# Altium PCB PCB2LYW.PcbDoc
Units mm, origin at the board's own origin, x right, y up, seen from the top; angles counter-clockwise.
Board outline 53.97 x 27.94 mm, 2 copper layers (Top Layer, Bottom Layer); 11 components, 11 nets, 38 pads, 0 vias.
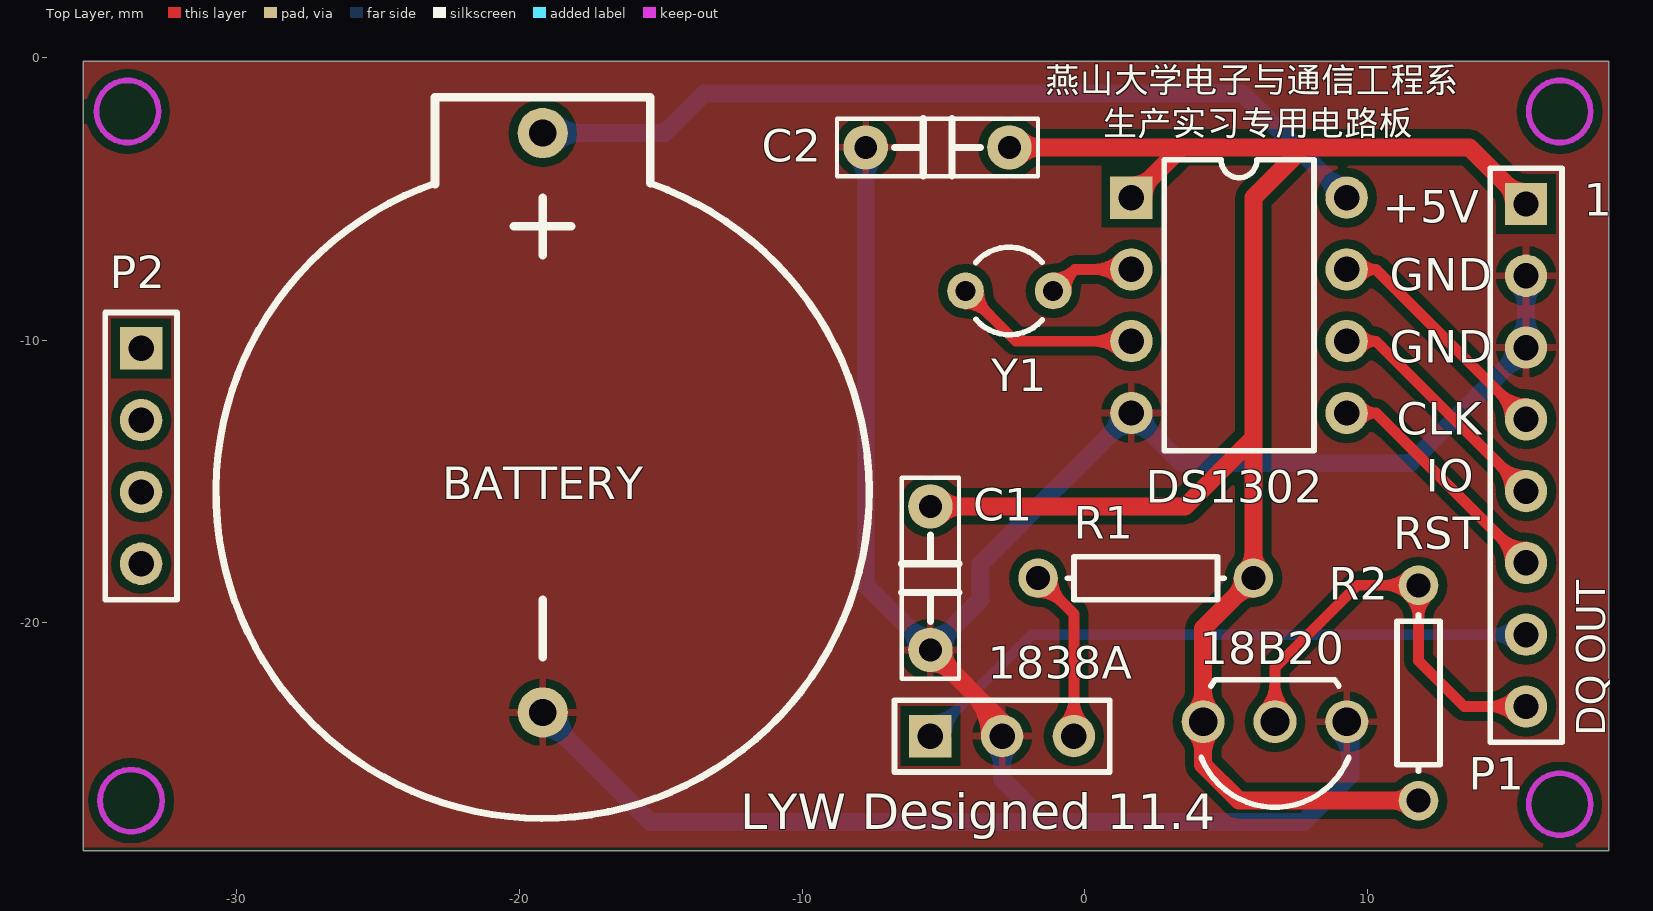
[diagram p0: Top Layer view]
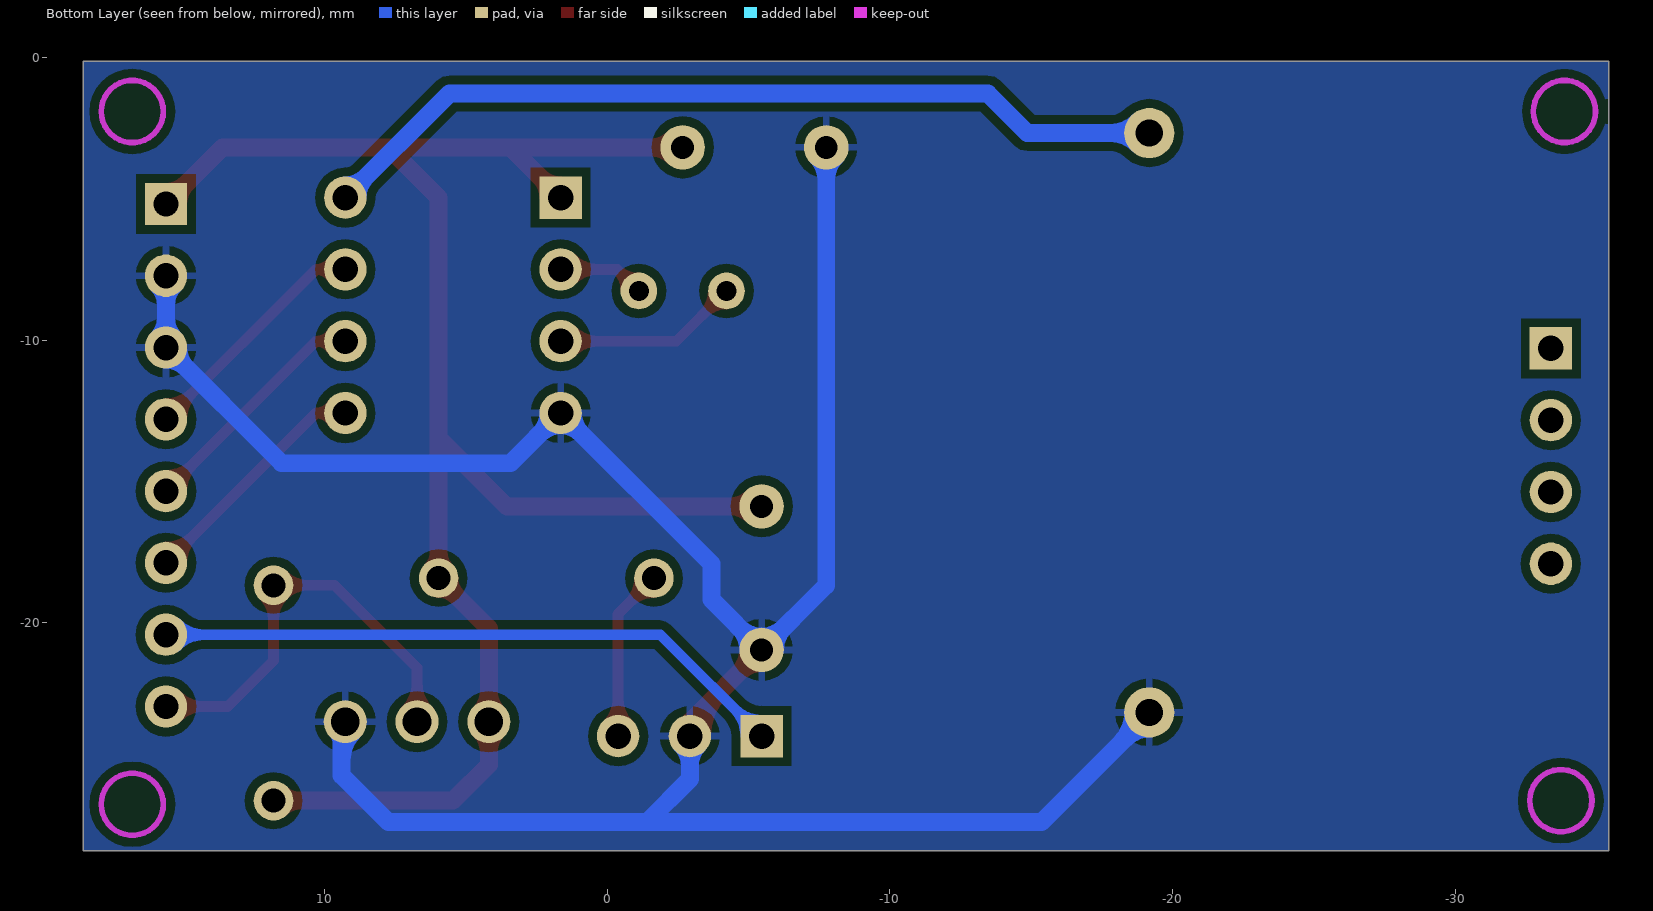
[diagram p1: Bottom Layer view, seen from below]

## Layer stack, top to bottom
Top Layer: signal copper 0.0356
Dielectric: dielectric 0.32, FR-4, Dk 4.8
Bottom Layer: signal copper 0.0356

## Board outline
-35.433,-28.067 18.542,-28.067 18.542,-0.127 -35.433,-0.127

## Design rules (kind name [scope] priority, off if disabled: settings)
Clearance [All] p1: gap=0.305
ComponentClearance [All] p1 off: gap=0.254 collisioncheckmode=3 verticalgap=0.254 showdistances=FALSE
PolygonConnect [All] p1: connectstyle=Relief reliefconductorwidth=0.254 reliefentries=4 polygonreliefangle="90 Angle"
RoomDefinition SHEET1 [InComponentClass('SHEET1')] p1 off: confinementstyle=ConfineIn formatcopy=TRUE lockcomponents=FALSE outline 21.971,-26.035 30.861,-26.035 30.861,-19.685 21.971,-19.685
RoutingVias [All] p1: holewidth=0.406 width=0.762 viastyle="Through Hole" minholewidth=0.406 minwidth=0.762 maxholewidth=0.711 maxwidth=1.27
SilkscreenOverComponentPads [All] p1: minsilkscreentomaskgap=0.025
SolderMaskExpansion [All] p1: expansion=0.102
TestPointUsage FabricationTestPointUsage [All] p1: valid=0 allowmultiple=FALSE
Testpoint FabricationTestpoint [All] p1: side=3 testpointundercomponent=TRUE minsize=1.016 maxsize=2.54 preferedsize=1.524 minholesize=0 maxholesize=1.016 preferedholesize=0.813 testpointgrid=0.025 style=297 order=0-112345678
Width Width_1 [InNet('GND')] p1: maxlimit=0.635 minlimit=0.254 preferedwidth=0.635
Width [All] p2: maxlimit=1.27 minlimit=0.381 preferedwidth=0.381
22 further rules are at their usual default settings.

## Components (designator, comment, footprint, x,y, rotation, side; value= is the part's Value field where it differs from the comment)
18B20 "DALLAS IC" TO92C 9.271,-23.495 r270 top (schematic designator DS18B20)
1838A "TL1838A" DIP3_HT -5.461,-24.003 r0 top (schematic designator TL1838A)
BATTERY "3.6V" POW1_HT -19.177,-12.827 r90 top (schematic designator battery)
C1 "CAP" CAP2A_DQ -5.461,-15.875 r270 top
C2 "CAP" CAP2A_DQ -2.667,-3.175 r180 top
DS1302 "DS1302N" DIP8 5.461,-8.763 r270 top
P1 "Header 8" HDR1X8 15.615,-5.177 r270 top
P2 "Header 4" HDR1X4 -33.385,-10.287 r270 top
R1 "Resister" AXIAL-0.3 2.159,-18.415 r180 top
R2 "Resister" AXIAL-0.3 11.811,-22.479 r270 top
Y1 "32.768KHz" BCY-W2/D3.1 -2.667,-8.255 r270 top

## Footprints (in the part's own frame and the unit in brackets; to place one, negate y for a bottom-side part, rotate by r counter-clockwise, add the part's x,y. Pads: shape width x height; smd on the part's side, far side on the other; paste and mask are expansions set on the pad)
AXIAL-0.3 [mm] "Axial Device, Thru-Hole; 2 Leads; 0.3 in Pin Spacing"
  round 1.4 hole 0.85: 1(-3.81,0) 2(3.81,0)
  silkscreen extent -2.77,-0.76 2.77,0.76
BCY-W2/D3.1 [mm] "Crystal, Thru-Hole; 2 Leads; Body 3.1 x 8.2 mm (Dia.xH)"
  round 1.3 hole 0.7: 1(0,1.55) 2(0,-1.55)
  silkscreen extent -1.55,-1.19 1.55,1.17
CAP2A_DQ [mil]
  round 62 hole 32: 1(0,0) 2(200,0)
  silkscreen extent -40,-40 240,40
DIP3_HT [mm]
  rect 1.5x1.5 hole 0.9: 1(0,0)
  round 1.5 hole 0.9: 2(2.54,0) 3(5.08,0)
  silkscreen extent -1.27,-1.27 6.35,1.27
DIP8 [mm] "DIP; 8 Leads; Row Spacing 7.62 mm; Pitch 2.54 mm"
  rect 1.5x1.5 hole 0.9: 1(-3.81,-3.81)
  round 1.5 hole 0.9: 2(-1.27,-3.81) 3(1.27,-3.81) 4(3.81,-3.81) 5(3.81,3.81) 6(1.27,3.81) 7(-1.27,3.81) 8(-3.81,3.81)
  silkscreen extent -5.15,-2.65 5.15,2.65
HDR1X4 [mm] "Connector; Header; 4 Position"
  rect 1.5x1.5 hole 0.9: 1(0,0)
  round 1.5 hole 0.9: 2(2.54,0) 3(5.08,0) 4(7.62,0)
  silkscreen extent -1.27,-1.27 8.89,1.27
HDR1X8 [mm] "Connector; Header; 8 Position"
  rect 1.5x1.5 hole 0.9: 1(0,0)
  round 1.5 hole 0.9: 2(2.54,0) 3(5.08,0) 4(7.62,0) 5(10.16,0) 6(12.7,0) 7(15.24,0) 8(17.78,0)
  silkscreen extent -1.27,-1.27 19.05,1.27
POW1_HT [mil]
  round 70 hole 38: 1(400,0) 2(-407.09,0)
  silkscreen extent -555,-455 450,455
TO92C [mil]
  round 60 hole 40: 1(0,0) 2(0,-100) 3(0,-200)
  silkscreen extent -58,-203 119,3

## Part data
18B20: library part DS18B20
BATTERY: library part BATTERY
C1 C2: library part CAP0805, "CAP with C0805 footprint"
DS1302: "Trickle Charge Timekeeping Chip"
P1: "Header, 8-Pin"
P2: "支撑作用"
R1 R2: "Resister with c0805 footprint"
Y1: library part 12MHZ, "Crystal Oscillator"

## Nets (pads, with @x,y where several pads share a name; then routed paths per layer and width w, separated by ;. In a path a pad name is that pad's centre, name@x,y a point inside that pad or via, vN(x,y) a via of type N, cw(c..) or ccw(c..) an arc to the next point about the centre after c; other vN are vias at no path point)
DQ: 18B20.2 P1.8 R2.1 | length 24
  Top Layer w0.381: 18B20.2@6.327,-23.091 ccw(c5.351,-22.115) 6.731,-22.115 ccw(c8.111,-22.115) 18B20.2@7.135,-23.091 ; 18B20.2 6.731,-21.59 9.652,-18.669 R2.1 11.811,-21.336 13.432,-22.957 P1.8 P1.8@15.615,-22.473 ; R2.1@11.451,-18.309 cw(c10.581,-17.439) 10.581,-18.669 cw(c10.581,-19.899) 11.451,-19.029 cw(c10.581,-19.899) 11.811,-19.899 cw(c13.041,-19.899) R2.1@12.171,-19.029 ; P1.8@15.219,-23.353 ccw(c14.264,-24.308) 14.264,-22.957 ccw(c14.264,-21.606) P1.8@15.219,-22.561
GND: 18B20.1 1838A.2 BATTERY.2 C1.2 C2.2 DS1302.4 P1.2 P1.3 | length 112.2
  Top Layer w0.635: C1.2@-5.461,-21.425 cw(c-5.461,-22.559) -4.659,-21.757 cw(c-3.857,-20.955) C1.2@-4.991,-20.955 ; C1.2 -2.921,-23.495 1838A.2 ; -4.019,-22.397 cw(c-5.624,-24.003) 1838A.2@-3.353,-24.003
  Bottom Layer w0.635: BATTERY.2@-19.177,-23.738 cw(c-19.177,-24.94) -18.328,-24.09 ; BATTERY.2@-19.177,-23.241 -15.367,-27.051 -1.397,-27.051 ; BATTERY.2@-18.605,-23.167 ccw(c-17.047,-23.167) -18.149,-24.269 ; C2.2@-8.079,-3.507 cw(c-8.881,-4.309) -7.747,-4.309 cw(c-6.613,-4.309) C2.2@-7.415,-3.507 ; C2.2 -7.747,-18.669 C1.2 -3.683,-19.177 -3.683,-17.907 DS1302.4 3.429,-14.351 11.521,-14.351 P1.3 ; C1.2@-5.931,-20.955 ccw(c-7.065,-20.955) -6.263,-20.153 ccw(c-5.461,-19.351) -5.461,-20.485 ccw(c-5.461,-19.351) -4.659,-20.153 ccw(c-3.857,-20.955) C1.2@-4.991,-20.955 ; 1838A.2@-3.227,-24.309 cw(c-3.965,-25.047) -2.921,-25.047 cw(c-1.877,-25.047) 1838A.2@-2.615,-24.309 ; 1838A.2 -2.921,-25.527 -1.397,-27.051 ; DS1302.4@1.219,-12.573 cw(c0.174,-12.573) 0.913,-13.311 cw(c1.651,-14.05) 1.651,-13.005 cw(c1.651,-14.05) 2.389,-13.311 cw(c3.128,-12.573) DS1302.4@2.083,-12.573 ; 7.62,-27.051 -1.397,-27.051 ; 7.747,-27.051 9.398,-25.4 18B20.1@9.398,-23.495 ; 18B20.1@8.957,-23.809 cw(c7.891,-24.875) 9.398,-24.875 ; 9.398,-24.262 cw(c10.038,-24.262) 18B20.1@9.585,-23.809 ; P1.3@15.182,-10.257 cw(c14.138,-10.257) 14.877,-10.995 cw(c15.615,-11.734) P1.3@15.615,-10.689 ; P1.3@15.309,-9.951 ccw(c14.571,-9.213) 15.615,-9.213 ccw(c16.659,-9.213) P1.3@15.921,-9.951 ; P1.2@15.309,-8.023 cw(c14.571,-8.761) 15.615,-8.761 cw(c16.659,-8.761) P1.2@15.921,-8.023 ; P1.2 P1.3 ; P1.3@15.748,-10.414 15.615,-10.281 P1.3
MCUIO: DS1302.6 P1.5 | length 12
  Top Layer w0.381: DS1302.6 10.311,-10.033 ; DS1302.6@9.738,-10.341 cw(c10.311,-10.72) 10.311,-10.033 ; DS1302.6@9.738,-9.725 ccw(c10.311,-9.346) 10.311,-10.033 ; P1.5@15.055,-15.337 ccw(c13.705,-15.337) 14.66,-14.382 ccw(c15.615,-13.427) P1.5@15.615,-14.778 ; P1.5 10.311,-10.033
NetR1_2: 1838A.3 R1.2 | length 10.2
  Top Layer w0.381: R1.2@-1.651,-18.924 cw(c-1.651,-20.155) -0.781,-19.285 cw(c0.089,-18.415) R1.2@-1.142,-18.415 ; R1.2 -0.381,-19.685 1838A.3 ; 1838A.3@-0.777,-23.607 ccw(c-1.732,-22.652) -0.381,-22.652 ccw(c0.97,-22.652) 1838A.3@0.015,-23.607
OUT: 1838A.1 P1.7 | length 26.8
  Bottom Layer w0.381: 1838A.1 -1.875,-20.417 -0.635,-20.417 P1.7 ; 1838A.1@-5.461,-23.444 ccw(c-5.461,-22.093) -4.506,-23.048 ccw(c-3.551,-24.003) 1838A.1@-4.902,-24.003 ; P1.7@15.219,-20.813 ccw(c14.264,-21.768) 14.264,-20.417 ccw(c14.264,-19.066) P1.7@15.219,-20.021
RST: DS1302.5 P1.6 | length 12
  Top Layer w0.381: DS1302.5 10.311,-12.573 ; DS1302.5@9.738,-12.881 cw(c10.311,-13.26) 10.311,-12.573 ; DS1302.5@9.738,-12.265 ccw(c10.311,-11.886) 10.311,-12.573 ; P1.6@15.055,-17.877 ccw(c13.705,-17.877) 14.66,-16.922 ccw(c15.615,-15.967) P1.6@15.615,-17.318 ; P1.6 10.311,-12.573
SCLK: DS1302.7 P1.4 | length 12
  Top Layer w0.381: DS1302.7 10.311,-7.493 ; DS1302.7@9.738,-7.801 cw(c10.311,-8.18) 10.311,-7.493 ; DS1302.7@9.738,-7.185 ccw(c10.311,-6.806) 10.311,-7.493 ; P1.4@15.055,-12.797 ccw(c13.705,-12.797) 14.66,-11.842 ccw(c15.615,-10.887) P1.4@15.615,-12.238 ; P1.4 10.311,-7.493
  Bottom Layer w0.305: P1.4@15.603,-12.809 P1.4@15.621,-12.827
VCC: 18B20.3 C1.1 C2.1 DS1302.1 P1.1 R1.1 R2.2 | length 80.5
  Top Layer w0.635: C1.1 3.556,-15.875 5.969,-13.462 ; C1.1@-5.129,-16.207 cw(c-4.327,-17.009) -4.327,-15.875 cw(c-4.327,-14.741) C1.1@-5.129,-15.543 ; C2.1 3.429,-3.175 ; C2.1@-2.335,-3.507 cw(c-1.533,-4.309) -1.533,-3.175 cw(c-1.533,-2.041) C2.1@-2.335,-2.843 ; DS1302.1 3.429,-3.175 ; DS1302.1@1.651,-4.521 ccw(c1.651,-3.476) 2.389,-4.215 ccw(c3.128,-4.953) DS1302.1@2.083,-4.953 ; 18B20.3@3.877,-23.809 cw(c3.118,-24.568) 4.191,-24.568 cw(c5.264,-24.568) 18B20.3@4.505,-23.809 ; 18B20.3@3.877,-23.181 ccw(c3.118,-22.422) 4.191,-22.422 ccw(c5.264,-22.422) 18B20.3@4.505,-23.181 ; R1.1@5.587,-18.415 cw(c4.663,-18.415) 5.316,-19.068 cw(c5.969,-19.721) R1.1@5.969,-18.797 ; R1.1@5.699,-18.145 ccw(c5.046,-17.492) 5.969,-17.492 ccw(c6.892,-17.492) R1.1@6.239,-18.145 ; R2.2@11.541,-26.559 ccw(c10.888,-27.212) 10.888,-26.289 ccw(c10.888,-25.366) R2.2@11.541,-26.019 ; R2.2 5.461,-26.289 4.191,-25.019 18B20.3 4.191,-20.193 R1.1 5.969,-13.462 ; P1.1@15.182,-5.177 ccw(c14.138,-5.177) 14.877,-4.439 ccw(c15.615,-3.7) P1.1@15.615,-4.745 ; P1.1 13.613,-3.175 7.747,-3.175 ; 3.429,-3.175 7.747,-3.175 ; 5.969,-13.462 5.969,-4.953 7.747,-3.175
  Bottom Layer w0.635: C2.1 C2.1@-2.54,-3.048 ; R1.1 R1.1@6.223,-18.415
VCCBK: BATTERY.1 DS1302.8 | length 34.4
  Bottom Layer w0.635: BATTERY.1 -14.859,-2.667 -13.462,-1.27 5.588,-1.27 DS1302.8 ; BATTERY.1@-18.773,-3.071 cw(c-17.797,-4.047) -17.797,-2.667 cw(c-17.797,-1.287) BATTERY.1@-18.773,-2.263 ; DS1302.8@8.839,-4.953 ccw(c7.794,-4.953) 8.533,-4.215 ccw(c9.271,-3.476) DS1302.8@9.271,-4.521
X1: DS1302.2 Y1.1 | length 6.9
  Top Layer w0.381: Y1.1 -0.355,-7.493 ; Y1.1@-1.107,-7.796 ccw(c-1.086,-6.762) -0.355,-7.493 ; Y1.1@-0.658,-8.245 cw(c0.376,-8.224) -0.355,-7.493 ; DS1302.2@1.255,-7.889 ccw(c0.3,-8.844) 0.3,-7.493 ccw(c0.3,-6.142) DS1302.2@1.255,-7.097 ; DS1302.2 -0.355,-7.493
X2: DS1302.3 Y1.2 | length 10.6
  Top Layer w0.381: Y1.2@-4.217,-8.714 cw(c-4.217,-9.824) -3.433,-9.039 cw(c-2.648,-8.255) Y1.2@-3.757,-8.255 ; Y1.2 -2.439,-10.033 DS1302.3 ; DS1302.3@1.255,-10.429 ccw(c0.3,-11.384) 0.3,-10.033 ccw(c0.3,-8.682) DS1302.3@1.255,-9.637
  Bottom Layer w0.381: Y1.2@-4.217,-8.356 Y1.2
pads on no net: P2.1 P2.2 P2.3 P2.4

## Polygon pours and split planes (outlines as drawn)
GND on Top Layer "Top Layer-No Net" (solid, remove dead copper, pour order 1000): -35.433,-0.127 -35.433,-27.94 18.542,-27.94 18.542,-0.127
GND on Bottom Layer "Top Layer-No Net" (solid, remove dead copper, pour order 1001): -35.433,-0.127 -35.433,-28.067 18.542,-28.067 18.542,-0.127

## Keep-outs
Keep-Out Layer:
  circle w0.2: c-33.866,-1.905 r1.1
  circle w0.2: c-33.739,-26.289 r1.1
  circle w0.2: c16.807,-26.416 r1.1
  circle w0.2: c16.807,-1.905 r1.1

## Silkscreen, mask and mechanical layers (free items; w line width, h text height)
Top Overlay:
  text "燕山大学电子与通信工程系" at -1.397,-1.524 h1.52
  text "生产实习专用电路板" at 0.635,-3.048 h1.52
  text "1" at 17.653,-5.588 h1.14
  text "+5V" at 10.541,-5.842 h1.14
  text "GND" at 10.795,-8.255 h1.14
  text "GND" at 10.795,-10.795 h1.14
  text "CLK" at 11.049,-13.335 h1.14
  text "IO" at 12.065,-15.367 h1.14
  text "RST" at 10.922,-17.399 h1.14
  text "OUT" at 18.415,-21.463 h1.02 r90
  text "DQ" at 18.415,-24.003 h1.02 r90
  text "LYW Designed 11.4" at -12.192,-27.305 h1.27
Mechanical 1:
  lines w0.254: -35.56,-28.067 18.669,-28.067 18.669,-0.067 -35.56,-0.067 -35.56,-28.067